# EAGLE board working (EAGLE 7.5.0), part 2 of 8
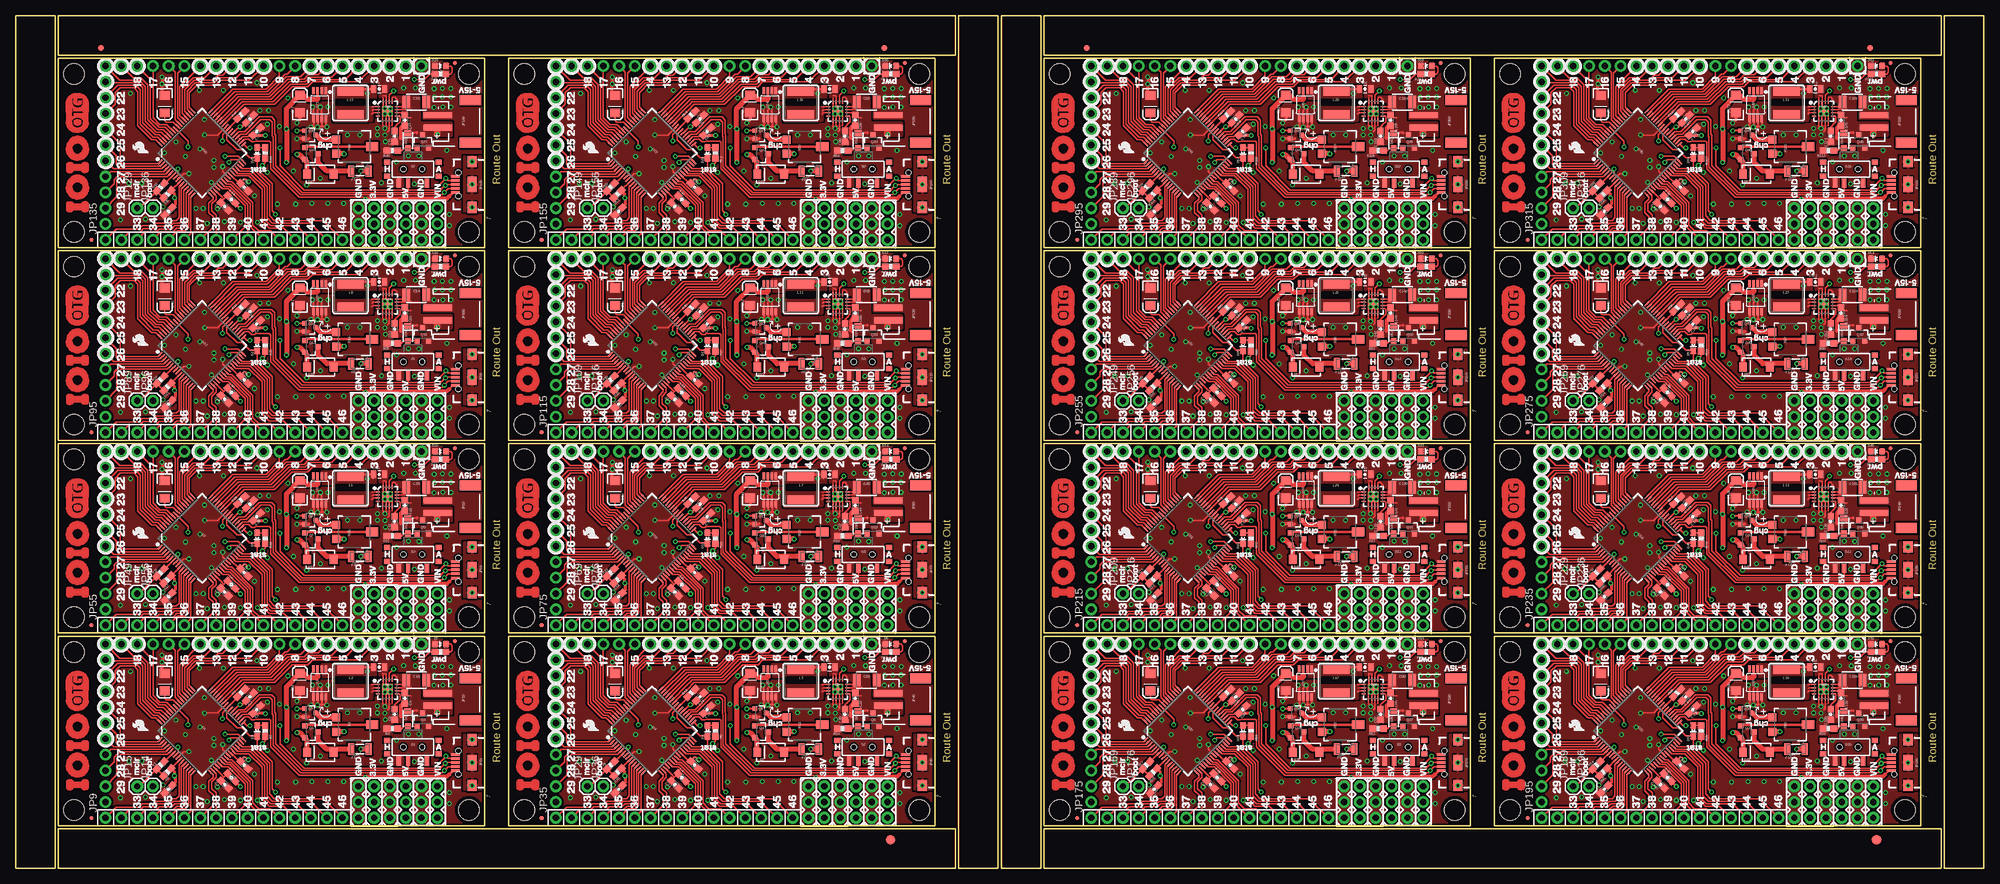
[diagram p0: board, top side]
## Placement (x,y rotation side)
C1  0.1uF  [0603-CAP]  33.63,13.49 315 top
C2  0.1uF  [0603-CAP]  37.67,27.58 45 top
C3  0.1uF  [0603-CAP]  36.78,16.61 315 top
C4  0.1uF  [0603-CAP]  24.57,12.71 225 top
C5  0.1uF  [0603-CAP]  38.79,25.55 45 top
C6  10uF  [0805-CAP]  58.48,32.36 0 top
C7  10uF  [EIA3216]  23.98,29.95 270 top
C8  3.3nF  [0603-CAP]  60.96,24.77 270 top
C9  0.1uF  [0603-CAP]  62.61,27.36 270 top
C10  10uF  [EIA3216]  45.72,29.97 90 top
C11  10uF  [1210]  64.46,30.28 0 top
C12  0.1uF  [0603-CAP]  106.02,13.49 315 top
C13  0.1uF  [0603-CAP]  110.06,27.58 45 top
C14  0.1uF  [0603-CAP]  109.17,16.61 315 top
C15  0.1uF  [0603-CAP]  96.96,12.71 225 top
C16  10uF  [EIA3216]  96.37,29.95 270 top
C17  0.1uF  [0603-CAP]  111.18,25.55 45 top
C18  10uF  [EIA3216]  118.11,29.97 90 top
C19  10uF  [0805-CAP]  130.87,32.36 0 top
C20  3.3nF  [0603-CAP]  133.35,24.77 270 top
C21  10uF  [1210]  136.85,30.28 0 top
C22  0.1uF  [0603-CAP]  135,27.36 270 top
C23  0.1uF  [0603-CAP]  33.63,44.48 315 top
C24  0.1uF  [0603-CAP]  37.67,58.57 45 top
C25  0.1uF  [0603-CAP]  36.78,47.6 315 top
C26  0.1uF  [0603-CAP]  24.57,43.7 225 top
C27  10uF  [EIA3216]  23.98,60.93 270 top
C28  0.1uF  [0603-CAP]  38.79,56.54 45 top
C29  10uF  [EIA3216]  45.72,60.96 90 top
C30  10uF  [0805-CAP]  58.48,63.35 0 top
C31  3.3nF  [0603-CAP]  60.96,55.76 270 top
C32  10uF  [1210]  64.46,61.27 0 top
C33  0.1uF  [0603-CAP]  62.61,58.35 270 top
C34  0.1uF  [0603-CAP]  106.02,44.48 315 top
C35  0.1uF  [0603-CAP]  110.06,58.57 45 top
C36  0.1uF  [0603-CAP]  109.17,47.6 315 top
C37  0.1uF  [0603-CAP]  96.96,43.7 225 top
C38  10uF  [EIA3216]  96.37,60.93 270 top
C39  0.1uF  [0603-CAP]  111.18,56.54 45 top
C40  10uF  [EIA3216]  118.11,60.96 90 top
C41  10uF  [0805-CAP]  130.87,63.35 0 top
C42  3.3nF  [0603-CAP]  133.35,55.76 270 top
C43  10uF  [1210]  136.85,61.27 0 top
C44  0.1uF  [0603-CAP]  135,58.35 270 top
C45  0.1uF  [0603-CAP]  33.63,75.46 315 top
C46  0.1uF  [0603-CAP]  37.67,89.56 45 top
C47  0.1uF  [0603-CAP]  36.78,78.59 315 top
C48  0.1uF  [0603-CAP]  24.57,74.68 225 top
C49  10uF  [EIA3216]  23.98,91.92 270 top
C50  0.1uF  [0603-CAP]  38.79,87.53 45 top
C51  10uF  [EIA3216]  45.72,91.95 90 top
C52  10uF  [0805-CAP]  58.48,94.34 0 top
C53  3.3nF  [0603-CAP]  60.96,86.75 270 top
C54  10uF  [1210]  64.46,92.26 0 top
C55  0.1uF  [0603-CAP]  62.61,89.33 270 top
C56  0.1uF  [0603-CAP]  106.02,75.46 315 top
C57  0.1uF  [0603-CAP]  110.06,89.56 45 top
C58  0.1uF  [0603-CAP]  109.17,78.59 315 top
C59  0.1uF  [0603-CAP]  96.96,74.68 225 top
C60  10uF  [EIA3216]  96.37,91.92 270 top
C61  0.1uF  [0603-CAP]  111.18,87.53 45 top
C62  10uF  [EIA3216]  118.11,91.95 90 top
C63  10uF  [0805-CAP]  130.87,94.34 0 top
C64  3.3nF  [0603-CAP]  133.35,86.75 270 top
C65  10uF  [1210]  136.85,92.26 0 top
C66  0.1uF  [0603-CAP]  135,89.33 270 top
C67  0.1uF  [0603-CAP]  33.63,106.45 315 top
C68  0.1uF  [0603-CAP]  37.67,120.55 45 top
C69  0.1uF  [0603-CAP]  36.78,109.58 315 top
C70  0.1uF  [0603-CAP]  24.57,105.67 225 top
C71  10uF  [EIA3216]  23.98,122.91 270 top
C72  0.1uF  [0603-CAP]  38.79,118.52 45 top
C73  10uF  [EIA3216]  45.72,122.94 90 top
C74  10uF  [0805-CAP]  58.48,125.33 0 top
C75  3.3nF  [0603-CAP]  60.96,117.73 270 top
C76  10uF  [1210]  64.46,123.25 0 top
C77  0.1uF  [0603-CAP]  62.61,120.32 270 top
C78  0.1uF  [0603-CAP]  106.02,106.45 315 top
C79  0.1uF  [0603-CAP]  110.06,120.55 45 top
C80  0.1uF  [0603-CAP]  109.17,109.58 315 top
C81  0.1uF  [0603-CAP]  96.96,105.67 225 top
C82  10uF  [EIA3216]  96.37,122.91 270 top
C83  0.1uF  [0603-CAP]  111.18,118.52 45 top
C84  10uF  [EIA3216]  118.11,122.94 90 top
C85  10uF  [0805-CAP]  130.87,125.33 0 top
C86  3.3nF  [0603-CAP]  133.35,117.73 270 top
C87  10uF  [1210]  136.85,123.25 0 top
C88  0.1uF  [0603-CAP]  135,120.32 270 top
C89  0.1uF  [0603-CAP]  192.12,13.49 315 top
C90  0.1uF  [0603-CAP]  196.16,27.58 45 top
C91  0.1uF  [0603-CAP]  195.28,16.61 315 top
C92  0.1uF  [0603-CAP]  183.07,12.71 225 top
C93  10uF  [EIA3216]  182.47,29.95 270 top
C94  0.1uF  [0603-CAP]  197.28,25.55 45 top
C95  10uF  [EIA3216]  204.22,29.97 90 top
C96  10uF  [0805-CAP]  216.98,32.36 0 top
C97  3.3nF  [0603-CAP]  219.46,24.77 270 top
C98  10uF  [1210]  222.95,30.28 0 top
C99  0.1uF  [0603-CAP]  221.1,27.36 270 top
C100  0.1uF  [0603-CAP]  264.51,13.49 315 top
C101  0.1uF  [0603-CAP]  268.55,27.58 45 top
C102  0.1uF  [0603-CAP]  267.67,16.61 315 top
C103  0.1uF  [0603-CAP]  255.46,12.71 225 top
C104  10uF  [EIA3216]  254.86,29.95 270 top
C105  0.1uF  [0603-CAP]  269.67,25.55 45 top
C106  10uF  [EIA3216]  276.61,29.97 90 top
C107  10uF  [0805-CAP]  289.37,32.36 0 top
C108  3.3nF  [0603-CAP]  291.85,24.77 270 top
C109  10uF  [1210]  295.34,30.28 0 top
C110  0.1uF  [0603-CAP]  293.49,27.36 270 top
C111  0.1uF  [0603-CAP]  192.12,44.48 315 top
C112  0.1uF  [0603-CAP]  196.16,58.57 45 top
C113  0.1uF  [0603-CAP]  195.28,47.6 315 top
C114  0.1uF  [0603-CAP]  183.07,43.7 225 top
C115  10uF  [EIA3216]  182.47,60.93 270 top
C116  0.1uF  [0603-CAP]  197.28,56.54 45 top
C117  10uF  [EIA3216]  204.22,60.96 90 top
C118  10uF  [0805-CAP]  216.98,63.35 0 top
C119  3.3nF  [0603-CAP]  219.46,55.76 270 top
C120  10uF  [1210]  222.95,61.27 0 top
C121  0.1uF  [0603-CAP]  221.1,58.35 270 top
C122  0.1uF  [0603-CAP]  264.51,44.48 315 top
C123  0.1uF  [0603-CAP]  268.55,58.57 45 top
C124  0.1uF  [0603-CAP]  267.67,47.6 315 top
C125  0.1uF  [0603-CAP]  255.46,43.7 225 top
C126  10uF  [EIA3216]  254.86,60.93 270 top
C127  0.1uF  [0603-CAP]  269.67,56.54 45 top
C128  10uF  [EIA3216]  276.61,60.96 90 top
C129  10uF  [0805-CAP]  289.37,63.35 0 top
C130  3.3nF  [0603-CAP]  291.85,55.76 270 top
C131  10uF  [1210]  295.34,61.27 0 top
C132  0.1uF  [0603-CAP]  293.49,58.35 270 top
C133  0.1uF  [0603-CAP]  192.12,75.46 315 top
C134  0.1uF  [0603-CAP]  196.16,89.56 45 top
C135  0.1uF  [0603-CAP]  195.28,78.59 315 top
C136  0.1uF  [0603-CAP]  183.07,74.68 225 top
C137  10uF  [EIA3216]  182.47,91.92 270 top
C138  0.1uF  [0603-CAP]  197.28,87.53 45 top
C139  10uF  [EIA3216]  204.22,91.95 90 top
C140  10uF  [0805-CAP]  216.98,94.34 0 top
C141  3.3nF  [0603-CAP]  219.46,86.75 270 top
C142  10uF  [1210]  222.95,92.26 0 top
C143  0.1uF  [0603-CAP]  221.1,89.33 270 top
C144  0.1uF  [0603-CAP]  264.51,75.46 315 top
C145  0.1uF  [0603-CAP]  268.55,89.56 45 top
C146  0.1uF  [0603-CAP]  267.67,78.59 315 top
C147  0.1uF  [0603-CAP]  255.46,74.68 225 top
C148  10uF  [EIA3216]  254.86,91.92 270 top
C149  0.1uF  [0603-CAP]  269.67,87.53 45 top
C150  10uF  [EIA3216]  276.61,91.95 90 top
C151  10uF  [0805-CAP]  289.37,94.34 0 top
C152  3.3nF  [0603-CAP]  291.85,86.75 270 top
C153  10uF  [1210]  295.34,92.26 0 top
C154  0.1uF  [0603-CAP]  293.49,89.33 270 top
C155  0.1uF  [0603-CAP]  192.12,106.45 315 top
C156  0.1uF  [0603-CAP]  196.16,120.55 45 top
C157  0.1uF  [0603-CAP]  195.28,109.58 315 top
C158  0.1uF  [0603-CAP]  183.07,105.67 225 top
C159  10uF  [EIA3216]  182.47,122.91 270 top
C160  0.1uF  [0603-CAP]  197.28,118.52 45 top
C161  10uF  [EIA3216]  204.22,122.94 90 top
C162  10uF  [0805-CAP]  216.98,125.33 0 top
C163  3.3nF  [0603-CAP]  219.46,117.73 270 top
C164  10uF  [1210]  222.95,123.25 0 top
C165  0.1uF  [0603-CAP]  221.1,120.32 270 top
C166  0.1uF  [0603-CAP]  264.51,106.45 315 top
C167  0.1uF  [0603-CAP]  268.55,120.55 45 top
C168  0.1uF  [0603-CAP]  267.67,109.58 315 top
C169  0.1uF  [0603-CAP]  255.46,105.67 225 top
C170  10uF  [EIA3216]  254.86,122.91 270 top
C171  0.1uF  [0603-CAP]  269.67,118.52 45 top
C172  10uF  [EIA3216]  276.61,122.94 90 top
C173  10uF  [0805-CAP]  289.37,125.33 0 top
C174  3.3nF  [0603-CAP]  291.85,117.73 270 top
C175  10uF  [1210]  295.34,123.25 0 top
C176  0.1uF  [0603-CAP]  293.49,120.32 270 top
D1  B340A  [SMA-DIODE]  49.02,18.67 180 top
D2  DZ2J160M0L  [PANASONIC_SMINI2-F5-B]  63.07,24.08 270 top
D3  Yellow  [LED-0603]  38.86,22.1 180 top
D4  Yellow  [LED-0603]  111.25,22.1 180 top
D5  Red  [LED-0603]  68.33,36.07 90 top
D6  Red  [LED-0603]  140.72,36.07 90 top
D7  B340A  [SMA-DIODE]  121.41,18.67 180 top
D8  DZ2J160M0L  [PANASONIC_SMINI2-F5-B]  135.46,24.08 270 top
D9  Yellow  [LED-0603]  38.86,53.09 180 top
D10  Red  [LED-0603]  68.33,67.06 90 top
D11  B340A  [SMA-DIODE]  49.02,49.66 180 top
D12  DZ2J160M0L  [PANASONIC_SMINI2-F5-B]  63.07,55.07 270 top
D13  Yellow  [LED-0603]  111.25,53.09 180 top
D14  Red  [LED-0603]  140.72,67.06 90 top
D15  B340A  [SMA-DIODE]  121.41,49.66 180 top
D16  DZ2J160M0L  [PANASONIC_SMINI2-F5-B]  135.46,55.07 270 top
D17  Yellow  [LED-0603]  38.86,84.07 180 top
D18  Red  [LED-0603]  68.33,98.04 90 top
D19  B340A  [SMA-DIODE]  49.02,80.64 180 top
D20  DZ2J160M0L  [PANASONIC_SMINI2-F5-B]  63.07,86.06 270 top
D21  Yellow  [LED-0603]  111.25,84.07 180 top
D22  Red  [LED-0603]  140.72,98.04 90 top
D23  B340A  [SMA-DIODE]  121.41,80.64 180 top
D24  DZ2J160M0L  [PANASONIC_SMINI2-F5-B]  135.46,86.06 270 top
D25  Yellow  [LED-0603]  38.86,115.06 180 top
D26  Red  [LED-0603]  68.33,129.03 90 top
D27  B340A  [SMA-DIODE]  49.02,111.63 180 top
D28  DZ2J160M0L  [PANASONIC_SMINI2-F5-B]  63.07,117.04 270 top
D29  Yellow  [LED-0603]  111.25,115.06 180 top
D30  Red  [LED-0603]  140.72,129.03 90 top
D31  B340A  [SMA-DIODE]  121.41,111.63 180 top
D32  DZ2J160M0L  [PANASONIC_SMINI2-F5-B]  135.46,117.04 270 top
D33  Yellow  [LED-0603]  197.36,22.1 180 top
D34  Red  [LED-0603]  226.82,36.07 90 top
D35  B340A  [SMA-DIODE]  207.52,18.67 180 top
D36  DZ2J160M0L  [PANASONIC_SMINI2-F5-B]  221.56,24.08 270 top
D37  Yellow  [LED-0603]  269.75,22.1 180 top
D38  Red  [LED-0603]  299.21,36.07 90 top
D39  B340A  [SMA-DIODE]  279.91,18.67 180 top
D40  DZ2J160M0L  [PANASONIC_SMINI2-F5-B]  293.95,24.08 270 top
D41  Yellow  [LED-0603]  197.36,53.09 180 top
D42  Red  [LED-0603]  226.82,67.06 90 top
D43  B340A  [SMA-DIODE]  207.52,49.66 180 top
D44  DZ2J160M0L  [PANASONIC_SMINI2-F5-B]  221.56,55.07 270 top
D45  Yellow  [LED-0603]  269.75,53.09 180 top
D46  Red  [LED-0603]  299.21,67.06 90 top
D47  B340A  [SMA-DIODE]  279.91,49.66 180 top
D48  DZ2J160M0L  [PANASONIC_SMINI2-F5-B]  293.95,55.07 270 top
D49  Yellow  [LED-0603]  197.36,84.07 180 top
D50  Red  [LED-0603]  226.82,98.04 90 top
D51  B340A  [SMA-DIODE]  207.52,80.64 180 top
D52  DZ2J160M0L  [PANASONIC_SMINI2-F5-B]  221.56,86.06 270 top
D53  Yellow  [LED-0603]  269.75,84.07 180 top
D54  Red  [LED-0603]  299.21,98.04 90 top
D55  B340A  [SMA-DIODE]  279.91,80.64 180 top
D56  DZ2J160M0L  [PANASONIC_SMINI2-F5-B]  293.95,86.06 270 top
D57  Yellow  [LED-0603]  197.36,115.06 180 top
D58  Red  [LED-0603]  226.82,129.03 90 top
D59  B340A  [SMA-DIODE]  207.52,111.63 180 top
D60  DZ2J160M0L  [PANASONIC_SMINI2-F5-B]  221.56,117.04 270 top
D61  Yellow  [LED-0603]  269.75,115.06 180 top
D62  Red  [LED-0603]  299.21,129.03 90 top
D63  B340A  [SMA-DIODE]  279.91,111.63 180 top
D64  DZ2J160M0L  [PANASONIC_SMINI2-F5-B]  293.95,117.04 270 top
E$1  [FIDUCIAL-1.5X3]  140.72,4.57 0 top
E$2  [FIDUCIAL-1X2]  298.2,131.95 90 top
E$3  [FIDUCIAL-1X2]  172.21,131.95 270 top
E$4  [FIDUCIAL-1.5X3]  299.21,4.57 0 top
E$7  [FIDUCIAL-1X2]  139.7,131.95 90 top
E$8  [FIDUCIAL-1X2]  13.72,131.95 270 top
F1  0.75A  [PTC-1206]  55.37,19.18 180 top
F2  0.75A  [PTC-1206]  127.76,19.18 180 top
F3  0.75A  [PTC-1206]  55.37,50.16 180 top
F4  0.75A  [PTC-1206]  127.76,50.16 180 top
F5  0.75A  [PTC-1206]  55.37,81.15 180 top
F6  0.75A  [PTC-1206]  127.76,81.15 180 top
F7  0.75A  [PTC-1206]  55.37,112.14 180 top
F8  0.75A  [PTC-1206]  127.76,112.14 180 top
F9  0.75A  [PTC-1206]  213.87,19.18 180 top
F10  0.75A  [PTC-1206]  286.26,19.18 180 top
F11  0.75A  [PTC-1206]  213.87,50.16 180 top
F12  0.75A  [PTC-1206]  286.26,50.16 180 top
F13  0.75A  [PTC-1206]  213.87,81.15 180 top
F14  0.75A  [PTC-1206]  286.26,81.15 180 top
F15  0.75A  [PTC-1206]  213.87,112.14 180 top
F16  0.75A  [PTC-1206]  286.26,112.14 180 top
JP1  [1X03]  67.82,8.13 90 top
JP2  [1X03]  57.66,13.21 270 top
JP3  [1X01]  65.28,36.07 0 top
JP4  [1X03]  62.74,13.21 270 top
JP5  [1X03]  65.28,13.21 270 top
JP6  [1X03]  60.2,13.21 270 top
JP7  [1X16_NO_SILK]  52.58,8.13 180 top
JP8  FIDUCIALUFIDUCIAL  [MICRO-FIDUCIAL]  12.19,8.13 0 top
JP9  [1X11_NO_SILK]  14.48,10.67 90 top
JP10  STAND-OFF  [STAND-OFF]  72.9,34.8 0 top
JP11  STAND-OFF  [STAND-OFF]  72.9,9.4 0 top
JP12  STAND-OFF  [STAND-OFF]  9.4,34.8 0 top
JP13  STAND-OFF  [STAND-OFF]  9.4,9.4 0 top
JP14  [1X01]  22.1,13.21 0 top
JP15  [1X01]  19.56,13.21 0 top
JP16  FIDUCIALUFIDUCIAL  [MICRO-FIDUCIAL]  70.61,36.58 0 top
JP17  [1X03]  55.12,8.13 90 top
JP18  [1X03]  130.05,13.21 270 top
JP19  JST  [JST-2-SMD]  71.63,27.18 270 top
JP20  [1X19_NO_SILK]  62.74,36.07 180 top
JP21  AB MICRO USB  [USB-AB-MICRO-SMD_V03]  73.41,17.02 180 top
JP22  [1X03]  132.59,13.21 270 top
JP23  [1X03]  135.13,13.21 270 top
JP24  STAND-OFF  [STAND-OFF]  145.29,34.8 0 top
JP25  STAND-OFF  [STAND-OFF]  145.29,9.4 0 top
JP26  STAND-OFF  [STAND-OFF]  81.79,34.8 0 top
JP27  STAND-OFF  [STAND-OFF]  81.79,9.4 0 top
JP28  [1X03]  137.67,13.21 270 top
JP29  [1X01]  91.95,13.21 0 top
JP30  [1X03]  127.51,8.13 90 top
JP31  [1X16_NO_SILK]  124.97,8.13 180 top
JP32  [1X19_NO_SILK]  135.13,36.07 180 top
JP33  [1X03]  140.21,8.13 90 top
JP34  [1X01]  137.67,36.07 0 top
JP35  [1X11_NO_SILK]  86.87,10.67 90 top
JP36  [1X01]  94.49,13.21 0 top
JP37  FIDUCIALUFIDUCIAL  [MICRO-FIDUCIAL]  84.58,8.13 0 top
JP38  FIDUCIALUFIDUCIAL  [MICRO-FIDUCIAL]  143,36.58 0 top
JP39  AB MICRO USB  [USB-AB-MICRO-SMD_V03]  145.8,17.02 180 top
JP40  JST  [JST-2-SMD]  144.02,27.18 270 top
JP41  [1X03]  57.66,44.2 270 top
JP42  [1X03]  60.2,44.2 270 top
JP43  [1X03]  62.74,44.2 270 top
JP44  STAND-OFF  [STAND-OFF]  72.9,65.79 0 top
JP45  STAND-OFF  [STAND-OFF]  72.9,40.39 0 top
JP46  STAND-OFF  [STAND-OFF]  9.4,65.79 0 top
JP47  STAND-OFF  [STAND-OFF]  9.4,40.39 0 top
JP48  [1X03]  65.28,44.2 270 top
JP49  [1X01]  19.56,44.2 0 top
JP50  [1X03]  55.12,39.12 90 top
JP51  [1X16_NO_SILK]  52.58,39.12 180 top
JP52  [1X19_NO_SILK]  62.74,67.06 180 top
JP53  [1X03]  67.82,39.12 90 top
JP54  [1X01]  65.28,67.06 0 top
JP55  [1X11_NO_SILK]  14.48,41.66 90 top
JP56  [1X01]  22.1,44.2 0 top
JP57  FIDUCIALUFIDUCIAL  [MICRO-FIDUCIAL]  12.19,39.12 0 top
JP58  FIDUCIALUFIDUCIAL  [MICRO-FIDUCIAL]  70.61,67.56 0 top
JP59  AB MICRO USB  [USB-AB-MICRO-SMD_V03]  73.41,48.01 180 top
JP60  JST  [JST-2-SMD]  71.63,58.17 270 top
JP61  [1X03]  130.05,44.2 270 top
JP62  [1X03]  132.59,44.2 270 top
JP63  [1X03]  135.13,44.2 270 top
JP64  STAND-OFF  [STAND-OFF]  145.29,65.79 0 top
JP65  STAND-OFF  [STAND-OFF]  145.29,40.39 0 top
JP66  STAND-OFF  [STAND-OFF]  81.79,65.79 0 top
JP67  STAND-OFF  [STAND-OFF]  81.79,40.39 0 top
JP68  [1X03]  137.67,44.2 270 top
JP69  [1X01]  91.95,44.2 0 top
JP70  [1X03]  127.51,39.12 90 top
JP71  [1X16_NO_SILK]  124.97,39.12 180 top
JP72  [1X19_NO_SILK]  135.13,67.06 180 top
JP73  [1X03]  140.21,39.12 90 top
JP74  [1X01]  137.67,67.06 0 top
JP75  [1X11_NO_SILK]  86.87,41.66 90 top
JP76  [1X01]  94.49,44.2 0 top
JP77  FIDUCIALUFIDUCIAL  [MICRO-FIDUCIAL]  84.58,39.12 0 top
JP78  FIDUCIALUFIDUCIAL  [MICRO-FIDUCIAL]  143,67.56 0 top
JP79  AB MICRO USB  [USB-AB-MICRO-SMD_V03]  145.8,48.01 180 top
JP80  JST  [JST-2-SMD]  144.02,58.17 270 top
JP81  [1X03]  57.66,75.18 270 top
JP82  [1X03]  60.2,75.18 270 top
JP83  [1X03]  62.74,75.18 270 top
JP84  STAND-OFF  [STAND-OFF]  72.9,96.77 0 top
JP85  STAND-OFF  [STAND-OFF]  72.9,71.37 0 top
JP86  STAND-OFF  [STAND-OFF]  9.4,96.77 0 top
JP87  STAND-OFF  [STAND-OFF]  9.4,71.37 0 top
JP88  [1X03]  65.28,75.18 270 top
JP89  [1X01]  19.56,75.18 0 top
JP90  [1X03]  55.12,70.1 90 top
JP91  [1X16_NO_SILK]  52.58,70.1 180 top
JP92  [1X19_NO_SILK]  62.74,98.04 180 top
JP93  [1X03]  67.82,70.1 90 top
JP94  [1X01]  65.28,98.04 0 top
JP95  [1X11_NO_SILK]  14.48,72.64 90 top
JP96  [1X01]  22.1,75.18 0 top
JP97  FIDUCIALUFIDUCIAL  [MICRO-FIDUCIAL]  12.19,70.1 0 top
JP98  FIDUCIALUFIDUCIAL  [MICRO-FIDUCIAL]  70.61,98.55 0 top
JP99  AB MICRO USB  [USB-AB-MICRO-SMD_V03]  73.41,78.99 180 top
JP100  JST  [JST-2-SMD]  71.63,89.15 270 top
JP101  [1X03]  130.05,75.18 270 top
JP102  [1X03]  132.59,75.18 270 top
JP103  [1X03]  135.13,75.18 270 top
JP104  STAND-OFF  [STAND-OFF]  145.29,96.77 0 top
JP105  STAND-OFF  [STAND-OFF]  145.29,71.37 0 top
JP106  STAND-OFF  [STAND-OFF]  81.79,96.77 0 top
JP107  STAND-OFF  [STAND-OFF]  81.79,71.37 0 top
JP108  [1X03]  137.67,75.18 270 top
JP109  [1X01]  91.95,75.18 0 top
JP110  [1X03]  127.51,70.1 90 top
JP111  [1X16_NO_SILK]  124.97,70.1 180 top
JP112  [1X19_NO_SILK]  135.13,98.04 180 top
JP113  [1X03]  140.21,70.1 90 top
JP114  [1X01]  137.67,98.04 0 top
JP115  [1X11_NO_SILK]  86.87,72.64 90 top
JP116  [1X01]  94.49,75.18 0 top
JP117  FIDUCIALUFIDUCIAL  [MICRO-FIDUCIAL]  84.58,70.1 0 top
JP118  FIDUCIALUFIDUCIAL  [MICRO-FIDUCIAL]  143,98.55 0 top
JP119  AB MICRO USB  [USB-AB-MICRO-SMD_V03]  145.8,78.99 180 top
JP120  JST  [JST-2-SMD]  144.02,89.15 270 top
JP121  [1X03]  57.66,106.17 270 top
JP122  [1X03]  60.2,106.17 270 top
JP123  [1X03]  62.74,106.17 270 top
JP124  STAND-OFF  [STAND-OFF]  72.9,127.76 0 top
JP125  STAND-OFF  [STAND-OFF]  72.9,102.36 0 top
JP126  STAND-OFF  [STAND-OFF]  9.4,127.76 0 top
JP127  STAND-OFF  [STAND-OFF]  9.4,102.36 0 top
JP128  [1X03]  65.28,106.17 270 top
JP129  [1X01]  19.56,106.17 0 top
JP130  [1X03]  55.12,101.09 90 top
JP131  [1X16_NO_SILK]  52.58,101.09 180 top
JP132  [1X19_NO_SILK]  62.74,129.03 180 top
JP133  [1X03]  67.82,101.09 90 top
JP134  [1X01]  65.28,129.03 0 top
JP135  [1X11_NO_SILK]  14.48,103.63 90 top
JP136  [1X01]  22.1,106.17 0 top
JP137  FIDUCIALUFIDUCIAL  [MICRO-FIDUCIAL]  12.19,101.09 0 top
JP138  FIDUCIALUFIDUCIAL  [MICRO-FIDUCIAL]  70.61,129.54 0 top
JP139  AB MICRO USB  [USB-AB-MICRO-SMD_V03]  73.41,109.98 180 top
JP140  JST  [JST-2-SMD]  71.63,120.14 270 top
JP141  [1X03]  130.05,106.17 270 top
JP142  [1X03]  132.59,106.17 270 top
JP143  [1X03]  135.13,106.17 270 top
JP144  STAND-OFF  [STAND-OFF]  145.29,127.76 0 top
JP145  STAND-OFF  [STAND-OFF]  145.29,102.36 0 top
JP146  STAND-OFF  [STAND-OFF]  81.79,127.76 0 top
JP147  STAND-OFF  [STAND-OFF]  81.79,102.36 0 top
JP148  [1X03]  137.67,106.17 270 top
JP149  [1X01]  91.95,106.17 0 top
JP150  [1X03]  127.51,101.09 90 top
JP151  [1X16_NO_SILK]  124.97,101.09 180 top
JP152  [1X19_NO_SILK]  135.13,129.03 180 top
JP153  [1X03]  140.21,101.09 90 top
JP154  [1X01]  137.67,129.03 0 top
JP155  [1X11_NO_SILK]  86.87,103.63 90 top
JP156  [1X01]  94.49,106.17 0 top
JP157  FIDUCIALUFIDUCIAL  [MICRO-FIDUCIAL]  84.58,101.09 0 top
JP158  FIDUCIALUFIDUCIAL  [MICRO-FIDUCIAL]  143,129.54 0 top
JP159  AB MICRO USB  [USB-AB-MICRO-SMD_V03]  145.8,109.98 180 top
JP160  JST  [JST-2-SMD]  144.02,120.14 270 top
JP161  [1X03]  216.15,13.21 270 top
JP162  [1X03]  218.69,13.21 270 top
JP163  [1X03]  221.23,13.21 270 top
JP164  STAND-OFF  [STAND-OFF]  231.39,34.8 0 top
JP165  STAND-OFF  [STAND-OFF]  231.39,9.4 0 top
JP166  STAND-OFF  [STAND-OFF]  167.89,34.8 0 top
JP167  STAND-OFF  [STAND-OFF]  167.89,9.4 0 top
JP168  [1X03]  223.77,13.21 270 top
JP169  [1X01]  178.05,13.21 0 top
JP170  [1X03]  213.61,8.13 90 top
JP171  [1X16_NO_SILK]  211.07,8.13 180 top
JP172  [1X19_NO_SILK]  221.23,36.07 180 top
JP173  [1X03]  226.31,8.13 90 top
JP174  [1X01]  223.77,36.07 0 top
JP175  [1X11_NO_SILK]  172.97,10.67 90 top
JP176  [1X01]  180.59,13.21 0 top
JP177  FIDUCIALUFIDUCIAL  [MICRO-FIDUCIAL]  170.69,8.13 0 top
JP178  FIDUCIALUFIDUCIAL  [MICRO-FIDUCIAL]  229.11,36.58 0 top
JP179  AB MICRO USB  [USB-AB-MICRO-SMD_V03]  231.9,17.02 180 top
JP180  JST  [JST-2-SMD]  230.12,27.18 270 top
JP181  [1X03]  288.54,13.21 270 top
JP182  [1X03]  291.08,13.21 270 top
JP183  [1X03]  293.62,13.21 270 top
JP184  STAND-OFF  [STAND-OFF]  303.78,34.8 0 top
JP185  STAND-OFF  [STAND-OFF]  303.78,9.4 0 top
JP186  STAND-OFF  [STAND-OFF]  240.28,34.8 0 top
JP187  STAND-OFF  [STAND-OFF]  240.28,9.4 0 top
JP188  [1X03]  296.16,13.21 270 top
JP189  [1X01]  250.44,13.21 0 top
JP190  [1X03]  286,8.13 90 top
JP191  [1X16_NO_SILK]  283.46,8.13 180 top
JP192  [1X19_NO_SILK]  293.62,36.07 180 top
JP193  [1X03]  298.7,8.13 90 top
JP194  [1X01]  296.16,36.07 0 top
JP195  [1X11_NO_SILK]  245.36,10.67 90 top
JP196  [1X01]  252.98,13.21 0 top
JP197  FIDUCIALUFIDUCIAL  [MICRO-FIDUCIAL]  243.08,8.13 0 top
JP198  FIDUCIALUFIDUCIAL  [MICRO-FIDUCIAL]  301.5,36.58 0 top
JP199  AB MICRO USB  [USB-AB-MICRO-SMD_V03]  304.29,17.02 180 top
JP200  JST  [JST-2-SMD]  302.51,27.18 270 top
JP201  [1X03]  216.15,44.2 270 top
JP202  [1X03]  218.69,44.2 270 top
JP203  [1X03]  221.23,44.2 270 top
JP204  STAND-OFF  [STAND-OFF]  231.39,65.79 0 top
JP205  STAND-OFF  [STAND-OFF]  231.39,40.39 0 top
JP206  STAND-OFF  [STAND-OFF]  167.89,65.79 0 top
JP207  STAND-OFF  [STAND-OFF]  167.89,40.39 0 top
JP208  [1X03]  223.77,44.2 270 top
JP209  [1X01]  178.05,44.2 0 top
JP210  [1X03]  213.61,39.12 90 top
JP211  [1X16_NO_SILK]  211.07,39.12 180 top
JP212  [1X19_NO_SILK]  221.23,67.06 180 top
JP213  [1X03]  226.31,39.12 90 top
JP214  [1X01]  223.77,67.06 0 top
JP215  [1X11_NO_SILK]  172.97,41.66 90 top
JP216  [1X01]  180.59,44.2 0 top
JP217  FIDUCIALUFIDUCIAL  [MICRO-FIDUCIAL]  170.69,39.12 0 top
JP218  FIDUCIALUFIDUCIAL  [MICRO-FIDUCIAL]  229.11,67.56 0 top
JP219  AB MICRO USB  [USB-AB-MICRO-SMD_V03]  231.9,48.01 180 top
JP220  JST  [JST-2-SMD]  230.12,58.17 270 top
JP221  [1X03]  288.54,44.2 270 top
JP222  [1X03]  291.08,44.2 270 top
JP223  [1X03]  293.62,44.2 270 top
JP224  STAND-OFF  [STAND-OFF]  303.78,65.79 0 top
JP225  STAND-OFF  [STAND-OFF]  303.78,40.39 0 top
JP226  STAND-OFF  [STAND-OFF]  240.28,65.79 0 top
JP227  STAND-OFF  [STAND-OFF]  240.28,40.39 0 top
JP228  [1X03]  296.16,44.2 270 top
JP229  [1X01]  250.44,44.2 0 top
JP230  [1X03]  286,39.12 90 top
JP231  [1X16_NO_SILK]  283.46,39.12 180 top
JP232  [1X19_NO_SILK]  293.62,67.06 180 top
JP233  [1X03]  298.7,39.12 90 top
JP234  [1X01]  296.16,67.06 0 top
JP235  [1X11_NO_SILK]  245.36,41.66 90 top
JP236  [1X01]  252.98,44.2 0 top
JP237  FIDUCIALUFIDUCIAL  [MICRO-FIDUCIAL]  243.08,39.12 0 top
JP238  FIDUCIALUFIDUCIAL  [MICRO-FIDUCIAL]  301.5,67.56 0 top
JP239  AB MICRO USB  [USB-AB-MICRO-SMD_V03]  304.29,48.01 180 top
JP240  JST  [JST-2-SMD]  302.51,58.17 270 top
JP241  [1X03]  216.15,75.18 270 top
JP242  [1X03]  218.69,75.18 270 top
JP243  [1X03]  221.23,75.18 270 top
JP244  STAND-OFF  [STAND-OFF]  231.39,96.77 0 top
JP245  STAND-OFF  [STAND-OFF]  231.39,71.37 0 top
JP246  STAND-OFF  [STAND-OFF]  167.89,96.77 0 top
JP247  STAND-OFF  [STAND-OFF]  167.89,71.37 0 top
JP248  [1X03]  223.77,75.18 270 top
JP249  [1X01]  178.05,75.18 0 top
JP250  [1X03]  213.61,70.1 90 top
JP251  [1X16_NO_SILK]  211.07,70.1 180 top
JP252  [1X19_NO_SILK]  221.23,98.04 180 top
JP253  [1X03]  226.31,70.1 90 top
JP254  [1X01]  223.77,98.04 0 top
JP255  [1X11_NO_SILK]  172.97,72.64 90 top
JP256  [1X01]  180.59,75.18 0 top
JP257  FIDUCIALUFIDUCIAL  [MICRO-FIDUCIAL]  170.69,70.1 0 top
JP258  FIDUCIALUFIDUCIAL  [MICRO-FIDUCIAL]  229.11,98.55 0 top
JP259  AB MICRO USB  [USB-AB-MICRO-SMD_V03]  231.9,78.99 180 top
JP260  JST  [JST-2-SMD]  230.12,89.15 270 top
JP261  [1X03]  288.54,75.18 270 top
JP262  [1X03]  291.08,75.18 270 top
JP263  [1X03]  293.62,75.18 270 top
JP264  STAND-OFF  [STAND-OFF]  303.78,96.77 0 top
JP265  STAND-OFF  [STAND-OFF]  303.78,71.37 0 top
JP266  STAND-OFF  [STAND-OFF]  240.28,96.77 0 top
JP267  STAND-OFF  [STAND-OFF]  240.28,71.37 0 top
JP268  [1X03]  296.16,75.18 270 top
JP269  [1X01]  250.44,75.18 0 top
JP270  [1X03]  286,70.1 90 top
JP271  [1X16_NO_SILK]  283.46,70.1 180 top
JP272  [1X19_NO_SILK]  293.62,98.04 180 top
JP273  [1X03]  298.7,70.1 90 top
JP274  [1X01]  296.16,98.04 0 top
JP275  [1X11_NO_SILK]  245.36,72.64 90 top
JP276  [1X01]  252.98,75.18 0 top
JP277  FIDUCIALUFIDUCIAL  [MICRO-FIDUCIAL]  243.08,70.1 0 top
JP278  FIDUCIALUFIDUCIAL  [MICRO-FIDUCIAL]  301.5,98.55 0 top
JP279  AB MICRO USB  [USB-AB-MICRO-SMD_V03]  304.29,78.99 180 top
JP280  JST  [JST-2-SMD]  302.51,89.15 270 top
JP281  [1X03]  216.15,106.17 270 top
JP282  [1X03]  218.69,106.17 270 top
JP283  [1X03]  221.23,106.17 270 top
JP284  STAND-OFF  [STAND-OFF]  231.39,127.76 0 top
JP285  STAND-OFF  [STAND-OFF]  231.39,102.36 0 top
JP286  STAND-OFF  [STAND-OFF]  167.89,127.76 0 top
JP287  STAND-OFF  [STAND-OFF]  167.89,102.36 0 top
JP288  [1X03]  223.77,106.17 270 top
JP289  [1X01]  178.05,106.17 0 top
JP290  [1X03]  213.61,101.09 90 top
JP291  [1X16_NO_SILK]  211.07,101.09 180 top
JP292  [1X19_NO_SILK]  221.23,129.03 180 top
JP293  [1X03]  226.31,101.09 90 top
JP294  [1X01]  223.77,129.03 0 top
JP295  [1X11_NO_SILK]  172.97,103.63 90 top
JP296  [1X01]  180.59,106.17 0 top
JP297  FIDUCIALUFIDUCIAL  [MICRO-FIDUCIAL]  170.69,101.09 0 top
JP298  FIDUCIALUFIDUCIAL  [MICRO-FIDUCIAL]  229.11,129.54 0 top
JP299  AB MICRO USB  [USB-AB-MICRO-SMD_V03]  231.9,109.98 180 top
JP300  JST  [JST-2-SMD]  230.12,120.14 270 top